# Allegro board 038NC-GRIFFI-V9A_16.brd (continued)
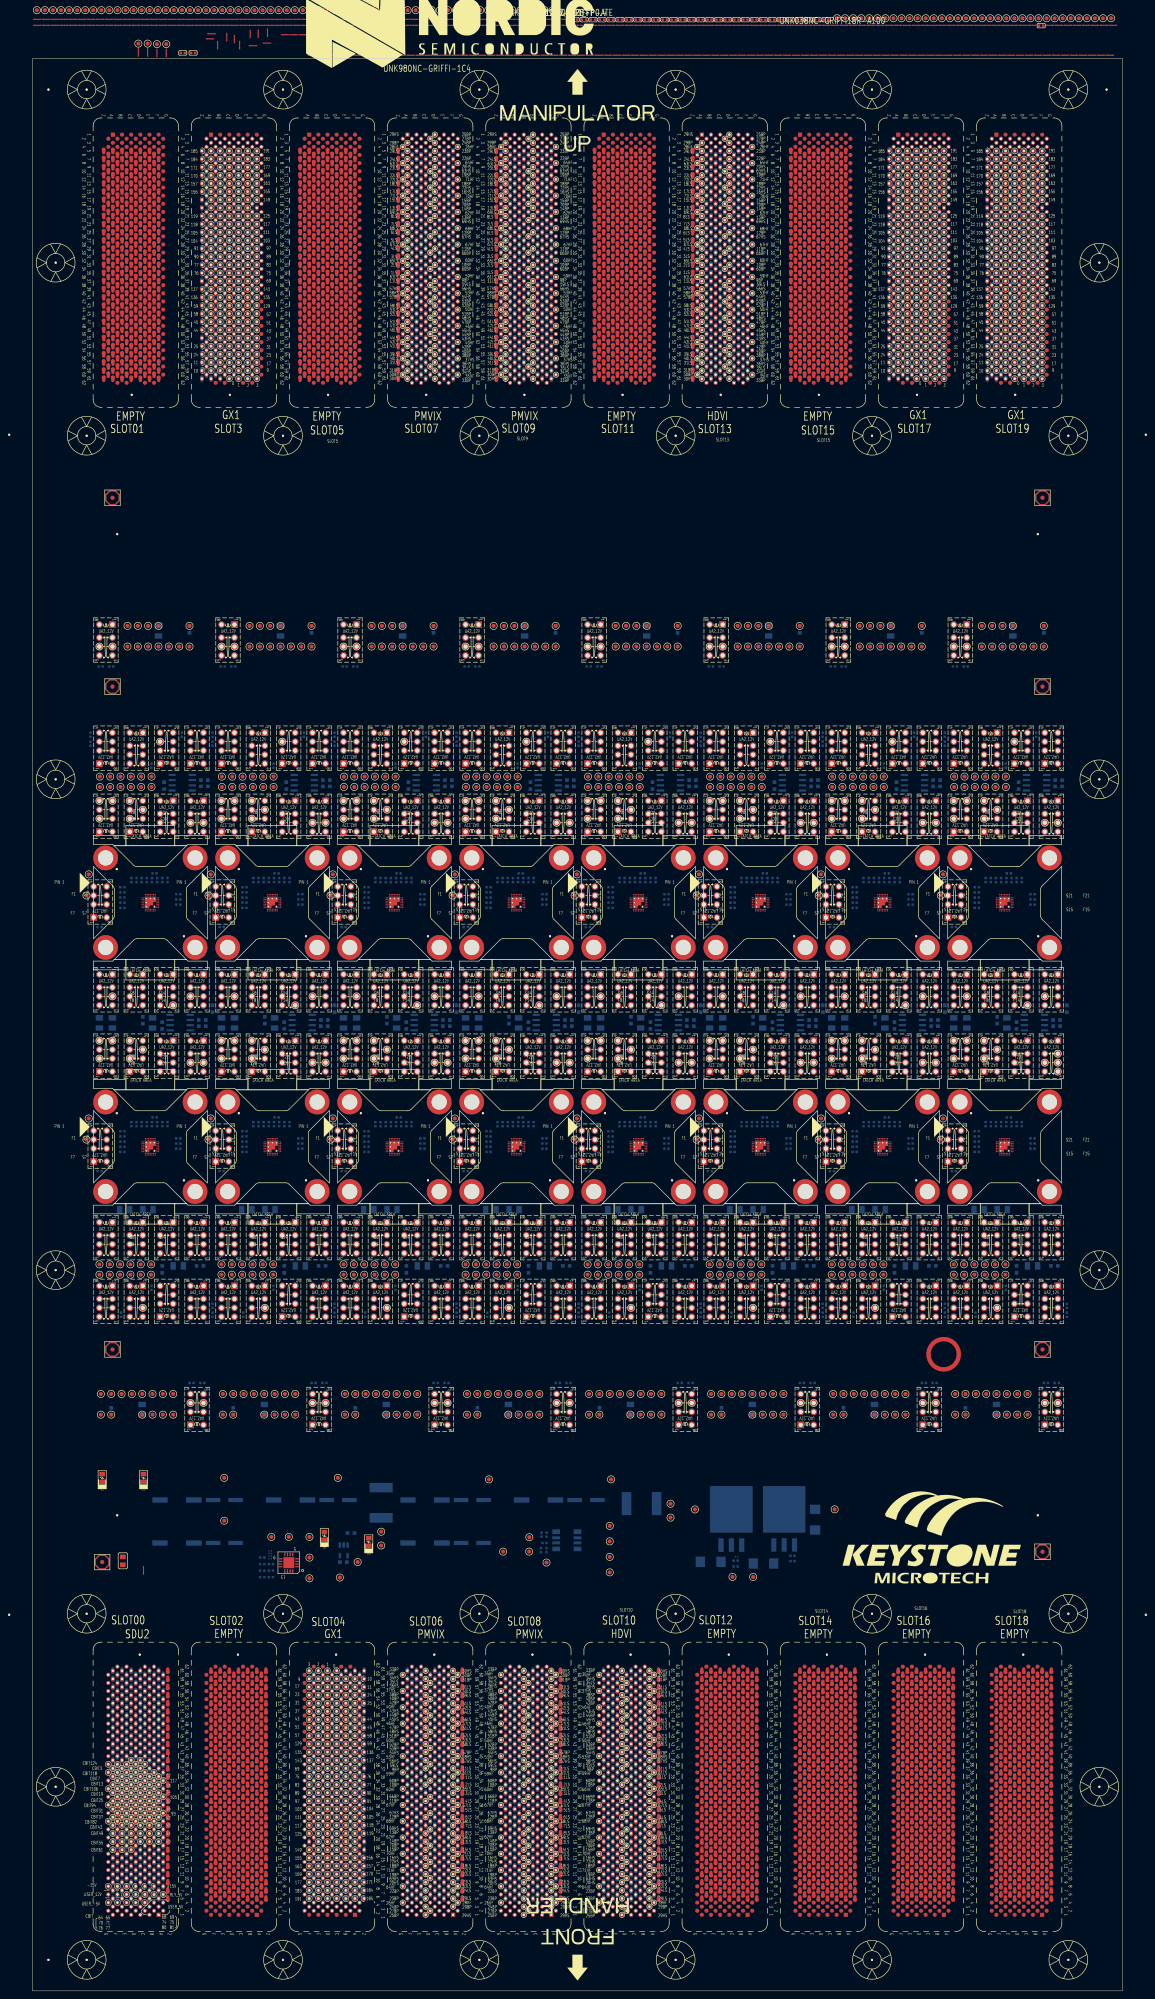
[diagram p0: board, top side]
## Footprints (pads in the part's own frame, mm; a bottom-side part is the same pattern mirrored in y, then rotated) (continued)
PG_LTXDX_F_X1_HDVI_SL10_V3
  round 0.051 hole 2.489x2.21 unplated: (12.055,-220.342)
  round 0.508 hole 3.2 unplated: (13.055,-154.842)
  rect 1.016x1.016 hole 0.559: A1(17.684,-218.796)
  round 1.016 hole 0.559: A2(18.809,-217.796) A3(17.684,-216.796) A4(18.809,-215.796) A5(17.684,-214.796) A6(18.809,-213.796) A7(17.684,-212.796) A8(18.809,-211.796) A9(17.684,-210.796) A10(18.809,-209.796) A11(17.684,-208.796) A12(18.809,-207.796) A13(17.684,-206.796) A14(18.809,-205.796) A15(17.684,-204.796) A16(18.809,-203.796) A17(17.684,-202.796) A18(18.809,-201.796) A19(17.684,-200.796) A20(18.809,-199.796) A21(17.684,-198.796) A22(18.809,-197.796) A23(17.684,-196.796) A24(18.809,-195.796) A25(17.684,-194.796) A26(18.809,-193.796) A27(17.684,-192.796) A28(18.809,-191.796) A29(17.684,-190.796) A30(18.809,-189.796) A31(17.684,-188.796) A32(18.809,-187.796) A33(17.684,-186.796) A34(18.809,-185.796) A35(17.684,-184.796) A36(18.809,-183.796) A37(17.684,-182.796) A38(18.809,-181.796) A39(17.684,-180.796) A40(18.809,-179.796) A41(17.684,-178.796) A42(18.809,-177.796) A43(17.684,-176.796) A44(18.809,-175.796) A45(17.684,-174.796) A46(18.809,-173.796) A47(17.684,-172.796) A48(18.809,-171.796) A49(17.684,-170.796) A50(18.809,-169.796) A51(17.684,-168.796) A52(18.809,-167.796) A53(17.684,-166.796) A54(18.809,-165.796) A55(17.684,-164.796) A56(18.809,-163.796) A57(17.684,-162.796) A58(18.809,-161.796) A59(17.684,-160.796) A60(18.809,-159.796) A61(17.684,-158.796) B1(15.435,-218.796) B2(16.56,-217.796) B3(15.435,-216.796) B4(16.56,-215.796) B5(15.435,-214.796) B6(16.56,-213.796) B7(15.435,-212.796) B8(16.56,-211.796) B9(15.435,-210.796) B10(16.56,-209.796) B11(15.435,-208.796) B12(16.56,-207.796) B13(15.435,-206.796) B14(16.56,-205.796) B15(15.435,-204.796) B16(16.56,-203.796) B17(15.435,-202.796) B18(16.56,-201.796) B19(15.435,-200.796) B20(16.56,-199.796) B21(15.435,-198.796) B22(16.56,-197.796) B23(15.435,-196.796) B24(16.56,-195.796) B25(15.435,-194.796) B26(16.56,-193.796) B27(15.435,-192.796) B28(16.56,-191.796) B29(15.435,-190.796) B30(16.56,-189.796) B31(15.435,-188.796) B32(16.56,-187.796) B33(15.435,-186.796) B34(16.56,-185.796) B35(15.435,-184.796) B36(16.56,-183.796) B37(15.435,-182.796) B38(16.56,-181.796) B39(15.435,-180.796) B40(16.56,-179.796) B41(15.435,-178.796) B42(16.56,-177.796) B43(15.435,-176.796) B44(16.56,-175.796) B45(15.435,-174.796) B46(16.56,-173.796) B47(15.435,-172.796) B48(16.56,-171.796) B49(15.435,-170.796) B50(16.56,-169.796) B51(15.435,-168.796) B52(16.56,-167.796) B53(15.435,-166.796) B54(16.56,-165.796) B55(15.435,-164.796) B56(16.56,-163.796) B57(15.435,-162.796) B58(16.56,-161.796) B59(15.435,-160.796) B60(16.56,-159.796) B61(15.435,-158.796) B62(16.56,-157.796) C1(13.184,-218.796) C2(14.31,-217.796) C3(13.184,-216.796) C4(14.31,-215.796) C5(13.184,-214.796) C6(14.31,-213.796) C7(13.184,-212.796) C8(14.31,-211.796) C9(13.184,-210.796) C10(14.31,-209.796) C11(13.184,-208.796) C12(14.31,-207.796) C13(13.184,-206.796) C14(14.31,-205.796) C15(13.184,-204.796) C16(14.31,-203.796) C17(13.184,-202.796) C18(14.31,-201.796) C19(13.184,-200.796) C20(14.31,-199.796) C21(13.184,-198.796) C22(14.31,-197.796) C23(13.184,-196.796) C24(14.31,-195.796) C25(13.184,-194.796) C26(14.31,-193.796) C27(13.184,-192.796) C28(14.31,-191.796) C29(13.184,-190.796) C30(14.31,-189.796) C31(13.184,-188.796) C32(14.31,-187.796) C33(13.184,-186.796) C34(14.31,-185.796) C35(13.184,-184.796) C36(14.31,-183.796) C37(13.184,-182.796) C38(14.31,-181.796) C39(13.184,-180.796) C40(14.31,-179.796) C41(13.184,-178.796) C42(14.31,-177.796) C43(13.184,-176.796) C44(14.31,-175.796) C45(13.184,-174.796) C46(14.31,-173.796) C47(13.184,-172.796) C48(14.31,-171.796) C49(13.184,-170.796) C50(14.31,-169.796) C51(13.184,-168.796) C52(14.31,-167.796) C53(13.184,-166.796) C54(14.31,-165.796) C55(13.184,-164.796) C56(14.31,-163.796) C57(13.184,-162.796) C58(14.31,-161.796) C59(13.184,-160.796) C60(14.31,-159.796) C61(13.184,-158.796) C62(14.31,-157.796) D1(10.934,-218.796) D2(12.059,-217.796) D3(10.934,-216.796) D4(12.059,-215.796) D5(10.934,-214.796) D6(12.059,-213.796) D7(10.934,-212.796) D8(12.059,-211.796) D9(10.934,-210.796) D10(12.059,-209.796) D11(10.934,-208.796) D12(12.059,-207.796) D13(10.934,-206.796) D14(12.059,-205.796) D15(10.934,-204.796) D16(12.059,-203.796) D17(10.934,-202.796) D18(12.059,-201.796) D19(10.934,-200.796) D20(12.059,-199.796) D21(10.934,-198.796) D22(12.059,-197.796) D23(10.934,-196.796) D24(12.059,-195.796) D25(10.934,-194.796) D26(12.059,-193.796) D27(10.934,-192.796) D28(12.059,-191.796) D29(10.934,-190.796) D30(12.059,-189.796) D31(10.934,-188.796) D32(12.059,-187.796) D33(10.934,-186.796) D34(12.059,-185.796) D35(10.934,-184.796) D36(12.059,-183.796) D37(10.934,-182.796) D38(12.059,-181.796) D39(10.934,-180.796) D40(12.059,-179.796) D41(10.934,-178.796) D42(12.059,-177.796) D43(10.934,-176.796) D44(12.059,-175.796) D45(10.934,-174.796) D46(12.059,-173.796) D47(10.934,-172.796) D48(12.059,-171.796) D49(10.934,-170.796) D50(12.059,-169.796) D51(10.934,-168.796) D52(12.059,-167.796) D53(10.934,-166.796) D54(12.059,-165.796) D55(10.934,-164.796) D56(12.059,-163.796) D57(10.934,-162.796) D58(12.059,-161.796) D59(10.934,-160.796) D60(12.059,-159.796) D61(10.934,-158.796) E1(8.685,-218.796) E2(9.809,-217.796) E3(8.685,-216.796) E4(9.809,-215.796) E5(8.685,-214.796) E6(9.809,-213.796) E7(8.685,-212.796) E8(9.809,-211.796) E9(8.685,-210.796) E10(9.809,-209.796) E11(8.685,-208.796) E12(9.809,-207.796) E13(8.685,-206.796) E14(9.809,-205.796) E15(8.685,-204.796) E16(9.809,-203.796) E17(8.685,-202.796) E18(9.809,-201.796) E19(8.685,-200.796) E20(9.809,-199.796) E21(8.685,-198.796) E22(9.809,-197.796) E23(8.685,-196.796) E24(9.809,-195.796) E25(8.685,-194.796) E26(9.809,-193.796) E27(8.685,-192.796) E28(9.809,-191.796) E29(8.685,-190.796) E30(9.809,-189.796) E31(8.685,-188.796) E32(9.809,-187.796) E33(8.685,-186.796) E34(9.809,-185.796) E35(8.685,-184.796) E36(9.809,-183.796) E37(8.685,-182.796) E38(9.809,-181.796) E39(8.685,-180.796) E40(9.809,-179.796) E41(8.685,-178.796) E42(9.809,-177.796) E43(8.685,-176.796) E44(9.809,-175.796) E45(8.685,-174.796) E46(9.809,-173.796) E47(8.685,-172.796) E48(9.809,-171.796) E49(8.685,-170.796) E50(9.809,-169.796) E51(8.685,-168.796) E52(9.809,-167.796) E53(8.685,-166.796) E54(9.809,-165.796) E55(8.685,-164.796) E56(9.809,-163.796) E57(8.685,-162.796) E58(9.809,-161.796) E59(8.685,-160.796) E60(9.809,-159.796) E61(8.685,-158.796) E62(9.809,-157.796) F1(6.435,-218.796) F2(7.56,-217.796) F3(6.435,-216.796) F4(7.56,-215.796) F5(6.435,-214.796) F6(7.56,-213.796) F7(6.435,-212.796) F8(7.56,-211.796) F9(6.435,-210.796) F10(7.56,-209.796) F11(6.435,-208.796) F12(7.56,-207.796) F13(6.435,-206.796) F14(7.56,-205.796) F15(6.435,-204.796) F16(7.56,-203.796) F17(6.435,-202.796) F18(7.56,-201.796) F19(6.435,-200.796) F20(7.56,-199.796) F21(6.435,-198.796) F22(7.56,-197.796) F23(6.435,-196.796) F24(7.56,-195.796) F25(6.435,-194.796) F26(7.56,-193.796) F27(6.435,-192.796) F28(7.56,-191.796) F29(6.435,-190.796) F30(7.56,-189.796) F31(6.435,-188.796) F32(7.56,-187.796) F33(6.435,-186.796) F34(7.56,-185.796) F35(6.435,-184.796) F36(7.56,-183.796) F37(6.435,-182.796) F38(7.56,-181.796) F39(6.435,-180.796) F40(7.56,-179.796) F41(6.435,-178.796) F42(7.56,-177.796) F43(6.435,-176.796) F44(7.56,-175.796) F45(6.435,-174.796) F46(7.56,-173.796) F47(6.435,-172.796) F48(7.56,-171.796) F49(6.435,-170.796) F50(7.56,-169.796) F51(6.435,-168.796) F52(7.56,-167.796) F53(6.435,-166.796) F54(7.56,-165.796) F55(6.435,-164.796) F56(7.56,-163.796) F57(6.435,-162.796) F58(7.56,-161.796) F59(6.435,-160.796) F60(7.56,-159.796) F61(6.435,-158.796) F62(7.56,-157.796) G2(5.31,-217.796) G4(5.31,-215.796) G6(5.31,-213.796) G8(5.31,-211.796) G10(5.31,-209.796) G12(5.31,-207.796) G14(5.31,-205.796) G16(5.31,-203.796) G18(5.31,-201.796) G20(5.31,-199.796) G22(5.31,-197.796) G24(5.31,-195.796) G26(5.31,-193.796) G28(5.31,-191.796) G30(5.31,-189.796) G32(5.31,-187.796) G34(5.31,-185.796) G36(5.31,-183.796) G38(5.31,-181.796) G40(5.31,-179.796) G42(5.31,-177.796) G44(5.31,-175.796) G46(5.31,-173.796) G48(5.31,-171.796) G50(5.31,-169.796) G52(5.31,-167.796) G54(5.31,-165.796) G56(5.31,-163.796) G58(5.31,-161.796) G60(5.31,-159.796)
  custom 0.257x0.257 smd: Z5(19.934,-214.796) Z7(19.934,-212.796) Z9(19.934,-210.796) Z11(19.934,-208.796) Z13(19.934,-206.796) Z15(19.934,-204.796) Z17(19.934,-202.796) Z19(19.934,-200.796) Z21(19.934,-198.796) Z23(19.934,-196.796) Z25(19.934,-194.796) Z27(19.934,-192.796) Z29(19.934,-190.796) Z31(19.934,-188.796) Z33(19.934,-186.796) Z35(19.934,-184.796) Z37(19.934,-182.796) Z39(19.934,-180.796) Z41(19.934,-178.796) Z43(19.934,-176.796) Z45(19.934,-174.796) Z47(19.934,-172.796) Z49(19.934,-170.796) Z51(19.934,-168.796) Z53(19.934,-166.796) Z55(19.934,-164.796) Z57(19.934,-162.796) Z59(19.934,-160.796) Z61(19.934,-158.796)
PG_LTXDX_F_X1_HDVI_SL13_V3
  round 0.508 hole 3.2 unplated: (35.206,154.842)
  round 0.051 hole 2.489x2.21 unplated: (36.205,220.342)
  rect 1.016x1.016 hole 0.559: A1(30.576,218.796)
  round 1.016 hole 0.559: A2(29.451,217.796) A3(30.576,216.796) A4(29.451,215.796) A5(30.576,214.796) A6(29.451,213.796) A7(30.576,212.796) A8(29.451,211.796) A9(30.576,210.796) A10(29.451,209.796) A11(30.576,208.796) A12(29.451,207.796) A13(30.576,206.796) A14(29.451,205.796) A15(30.576,204.796) A16(29.451,203.796) A17(30.576,202.796) A18(29.451,201.796) A19(30.576,200.796) A20(29.451,199.796) A21(30.576,198.796) A22(29.451,197.796) A23(30.576,196.796) A24(29.451,195.796) A25(30.576,194.796) A26(29.451,193.796) A27(30.576,192.796) A28(29.451,191.796) A29(30.576,190.796) A30(29.451,189.796) A31(30.576,188.796) A32(29.451,187.796) A33(30.576,186.796) A34(29.451,185.796) A35(30.576,184.796) A36(29.451,183.796) A37(30.576,182.796) A38(29.451,181.796) A39(30.576,180.796) A40(29.451,179.796) A41(30.576,178.796) A42(29.451,177.796) A43(30.576,176.796) A44(29.451,175.796) A45(30.576,174.796) A46(29.451,173.796) A47(30.576,172.796) A48(29.451,171.796) A49(30.576,170.796) A50(29.451,169.796) A51(30.576,168.796) A52(29.451,167.796) A53(30.576,166.796) A54(29.451,165.796) A55(30.576,164.796) A56(29.451,163.796) A57(30.576,162.796) A58(29.451,161.796) A59(30.576,160.796) A60(29.451,159.796) A61(30.576,158.796) B1(32.825,218.796) B2(31.7,217.796) B3(32.825,216.796) B4(31.7,215.796) B5(32.825,214.796) B6(31.7,213.796) B7(32.825,212.796) B8(31.7,211.796) B9(32.825,210.796) B10(31.7,209.796) B11(32.825,208.796) B12(31.7,207.796) B13(32.825,206.796) B14(31.7,205.796) B15(32.825,204.796) B16(31.7,203.796) B17(32.825,202.796) B18(31.7,201.796) B19(32.825,200.796) B20(31.7,199.796) B21(32.825,198.796) B22(31.7,197.796) B23(32.825,196.796) B24(31.7,195.796) B25(32.825,194.796) B26(31.7,193.796) B27(32.825,192.796) B28(31.7,191.796) B29(32.825,190.796) B30(31.7,189.796) B31(32.825,188.796) B32(31.7,187.796) B33(32.825,186.796) B34(31.7,185.796) B35(32.825,184.796) B36(31.7,183.796) B37(32.825,182.796) B38(31.7,181.796) B39(32.825,180.796) B40(31.7,179.796) B41(32.825,178.796) B42(31.7,177.796) B43(32.825,176.796) B44(31.7,175.796) B45(32.825,174.796) B46(31.7,173.796) B47(32.825,172.796) B48(31.7,171.796) B49(32.825,170.796) B50(31.7,169.796) B51(32.825,168.796) B52(31.7,167.796) B53(32.825,166.796) B54(31.7,165.796) B55(32.825,164.796) B56(31.7,163.796) B57(32.825,162.796) B58(31.7,161.796) B59(32.825,160.796) B60(31.7,159.796) B61(32.825,158.796) B62(31.7,157.796) C1(35.076,218.796) C2(33.95,217.796) C3(35.076,216.796) C4(33.95,215.796) C5(35.076,214.796) C6(33.95,213.796) C7(35.076,212.796) C8(33.95,211.796) C9(35.076,210.796) C10(33.95,209.796) C11(35.076,208.796) C12(33.95,207.796) C13(35.076,206.796) C14(33.95,205.796) C15(35.076,204.796) C16(33.95,203.796) C17(35.076,202.796) C18(33.95,201.796) C19(35.076,200.796) C20(33.95,199.796) C21(35.076,198.796) C22(33.95,197.796) C23(35.076,196.796) C24(33.95,195.796) C25(35.076,194.796) C26(33.95,193.796) C27(35.076,192.796) C28(33.95,191.796) C29(35.076,190.796) C30(33.95,189.796) C31(35.076,188.796) C32(33.95,187.796) C33(35.076,186.796) C34(33.95,185.796) C35(35.076,184.796) C36(33.95,183.796) C37(35.076,182.796) C38(33.95,181.796) C39(35.076,180.796) C40(33.95,179.796) C41(35.076,178.796) C42(33.95,177.796) C43(35.076,176.796) C44(33.95,175.796) C45(35.076,174.796) C46(33.95,173.796) C47(35.076,172.796) C48(33.95,171.796) C49(35.076,170.796) C50(33.95,169.796) C51(35.076,168.796) C52(33.95,167.796) C53(35.076,166.796) C54(33.95,165.796) C55(35.076,164.796) C56(33.95,163.796) C57(35.076,162.796) C58(33.95,161.796) C59(35.076,160.796) C60(33.95,159.796) C61(35.076,158.796) C62(33.95,157.796) D1(37.326,218.796) D2(36.201,217.796) D3(37.326,216.796) D4(36.201,215.796) D5(37.326,214.796) D6(36.201,213.796) D7(37.326,212.796) D8(36.201,211.796) D9(37.326,210.796) D10(36.201,209.796) D11(37.326,208.796) D12(36.201,207.796) D13(37.326,206.796) D14(36.201,205.796) D15(37.326,204.796) D16(36.201,203.796) D17(37.326,202.796) D18(36.201,201.796) D19(37.326,200.796) D20(36.201,199.796) D21(37.326,198.796) D22(36.201,197.796) D23(37.326,196.796) D24(36.201,195.796) D25(37.326,194.796) D26(36.201,193.796) D27(37.326,192.796) D28(36.201,191.796) D29(37.326,190.796) D30(36.201,189.796) D31(37.326,188.796) D32(36.201,187.796) D33(37.326,186.796) D34(36.201,185.796) D35(37.326,184.796) D36(36.201,183.796) D37(37.326,182.796) D38(36.201,181.796) D39(37.326,180.796) D40(36.201,179.796) D41(37.326,178.796) D42(36.201,177.796) D43(37.326,176.796) D44(36.201,175.796) D45(37.326,174.796) D46(36.201,173.796) D47(37.326,172.796) D48(36.201,171.796) D49(37.326,170.796) D50(36.201,169.796) D51(37.326,168.796) D52(36.201,167.796) D53(37.326,166.796) D54(36.201,165.796) D55(37.326,164.796) D56(36.201,163.796) D57(37.326,162.796) D58(36.201,161.796) D59(37.326,160.796) D60(36.201,159.796) D61(37.326,158.796) E1(39.575,218.796) E2(38.451,217.796) E3(39.575,216.796) E4(38.451,215.796) E5(39.575,214.796) E6(38.451,213.796) E7(39.575,212.796) E8(38.451,211.796) E9(39.575,210.796) E10(38.451,209.796) E11(39.575,208.796) E12(38.451,207.796) E13(39.575,206.796) E14(38.451,205.796) E15(39.575,204.796) E16(38.451,203.796) E17(39.575,202.796) E18(38.451,201.796) E19(39.575,200.796) E20(38.451,199.796) E21(39.575,198.796) E22(38.451,197.796) E23(39.575,196.796) E24(38.451,195.796) E25(39.575,194.796) E26(38.451,193.796) E27(39.575,192.796) E28(38.451,191.796) E29(39.575,190.796) E30(38.451,189.796) E31(39.575,188.796) E32(38.451,187.796) E33(39.575,186.796) E34(38.451,185.796) E35(39.575,184.796) E36(38.451,183.796) E37(39.575,182.796) E38(38.451,181.796) E39(39.575,180.796) E40(38.451,179.796) E41(39.575,178.796) E42(38.451,177.796) E43(39.575,176.796) E44(38.451,175.796) E45(39.575,174.796) E46(38.451,173.796) E47(39.575,172.796) E48(38.451,171.796) E49(39.575,170.796) E50(38.451,169.796) E51(39.575,168.796) E52(38.451,167.796) E53(39.575,166.796) E54(38.451,165.796) E55(39.575,164.796) E56(38.451,163.796) E57(39.575,162.796) E58(38.451,161.796) E59(39.575,160.796) E60(38.451,159.796) E61(39.575,158.796) E62(38.451,157.796) F1(41.825,218.796) F2(40.7,217.796) F3(41.825,216.796) F4(40.7,215.796) F5(41.825,214.796) F6(40.7,213.796) F7(41.825,212.796) F8(40.7,211.796) F9(41.825,210.796) F10(40.7,209.796) F11(41.825,208.796) F12(40.7,207.796) F13(41.825,206.796) F14(40.7,205.796) F15(41.825,204.796) F16(40.7,203.796) F17(41.825,202.796) F18(40.7,201.796) F19(41.825,200.796) F20(40.7,199.796) F21(41.825,198.796) F22(40.7,197.796) F23(41.825,196.796) F24(40.7,195.796) F25(41.825,194.796) F26(40.7,193.796) F27(41.825,192.796) F28(40.7,191.796) F29(41.825,190.796) F30(40.7,189.796) F31(41.825,188.796) F32(40.7,187.796) F33(41.825,186.796) F34(40.7,185.796) F35(41.825,184.796) F36(40.7,183.796) F37(41.825,182.796) F38(40.7,181.796) F39(41.825,180.796) F40(40.7,179.796) F41(41.825,178.796) F42(40.7,177.796) F43(41.825,176.796) F44(40.7,175.796) F45(41.825,174.796) F46(40.7,173.796) F47(41.825,172.796) F48(40.7,171.796) F49(41.825,170.796) F50(40.7,169.796) F51(41.825,168.796) F52(40.7,167.796) F53(41.825,166.796) F54(40.7,165.796) F55(41.825,164.796) F56(40.7,163.796) F57(41.825,162.796) F58(40.7,161.796) F59(41.825,160.796) F60(40.7,159.796) F61(41.825,158.796) F62(40.7,157.796) G2(42.95,217.796) G4(42.95,215.796) G6(42.95,213.796) G8(42.95,211.796) G10(42.95,209.796) G12(42.95,207.796) G14(42.95,205.796) G16(42.95,203.796) G18(42.95,201.796) G20(42.95,199.796) G22(42.95,197.796) G24(42.95,195.796) G26(42.95,193.796) G28(42.95,191.796) G30(42.95,189.796) G32(42.95,187.796) G34(42.95,185.796) G36(42.95,183.796) G38(42.95,181.796) G40(42.95,179.796) G42(42.95,177.796) G44(42.95,175.796) G46(42.95,173.796) G48(42.95,171.796) G50(42.95,169.796) G52(42.95,167.796) G54(42.95,165.796) G56(42.95,163.796) G58(42.95,161.796) G60(42.95,159.796)
  custom 0.257x0.257 smd: Z5(28.326,214.796) Z7(28.326,212.796) Z9(28.326,210.796) Z11(28.326,208.796) Z13(28.326,206.796) Z15(28.326,204.796) Z17(28.326,202.796) Z19(28.326,200.796) Z21(28.326,198.796) Z23(28.326,196.796) Z25(28.326,194.796) Z27(28.326,192.796) Z29(28.326,190.796) Z31(28.326,188.796) Z33(28.326,186.796) Z35(28.326,184.796) Z37(28.326,182.796) Z39(28.326,180.796) Z41(28.326,178.796) Z43(28.326,176.796) Z45(28.326,174.796) Z47(28.326,172.796) Z49(28.326,170.796) Z51(28.326,168.796) Z53(28.326,166.796) Z55(28.326,164.796) Z57(28.326,162.796) Z59(28.326,160.796) Z61(28.326,158.796)
PG_LTXDX_F_X1_OUTLINE_FULL_V2
  round 0.508 hole 7.925 unplated: (-139.7,145.034)
  round 0.508 hole 11.125 unplated: (-139.7,-145.034) (139.7,145.034) (139.7,-145.034)
  round 0.508 hole 3.099 unplated: (-130.048,229.87)
  round 0.508 hole 3.404 unplated: (-130.048,-229.87)
  round 0.508 hole 4.674 unplated: (-128.27,187.325) (-128.27,60.325) (-128.27,-60.325) (-128.27,-187.325) (-120.65,229.87) (-120.65,144.78) (-120.65,-144.78) (-120.65,-229.87) (-72.39,229.87) (-72.39,144.78) (-72.39,-144.78) (-72.39,-229.87) (-24.13,229.87) (-24.13,144.78) (-24.13,-144.78) (-24.13,-229.87) (24.13,229.87) (24.13,144.78) (24.13,-144.78) (24.13,-229.87) (72.39,229.87) (72.39,144.78) (72.39,-144.78) (72.39,-229.87) (120.65,229.87) (120.65,144.78) (120.65,-144.78) (120.65,-229.87) (128.27,187.325) (128.27,60.325) (128.27,-60.325) (128.27,-187.325)
  round 0.508 hole 4.572x3.099 unplated: (130.048,229.87)
PG_LTXDX_F_X1_PG400ND_SL01_V3
  round 0.508 hole 3.2 unplated: (-109.574,154.842)
  round 0.051 hole 2.489x2.21 unplated: (-108.574,220.342)
  rect 1.016x1.016 smd: A1(-114.204,218.796)
  round 1.016 smd: A2(-115.329,217.796) A3(-114.204,216.796) A4(-115.329,215.796) B1(-111.955,218.796) B2(-113.08,217.796) B3(-111.955,216.796) B4(-113.08,215.796) B62(-113.08,157.796) C1(-109.704,218.796) C2(-110.83,217.796) C3(-109.704,216.796) C4(-110.83,215.796) C62(-110.83,157.796) D1(-107.454,218.796) D2(-108.579,217.796) D3(-107.454,216.796) D4(-108.579,215.796) E1(-105.205,218.796) E2(-106.329,217.796) E3(-105.205,216.796) E4(-106.329,215.796) E62(-106.329,157.796) F1(-102.955,218.796) F2(-104.08,217.796) F3(-102.955,216.796) F4(-104.08,215.796) F62(-104.08,157.796) G2(-101.83,217.796) G4(-101.83,215.796) G6(-101.83,213.796) G8(-101.83,211.796) G10(-101.83,209.796) G12(-101.83,207.796) G14(-101.83,205.796) G16(-101.83,203.796) G18(-101.83,201.796) G20(-101.83,199.796) G22(-101.83,197.796) G24(-101.83,195.796) G26(-101.83,193.796) G28(-101.83,191.796) G30(-101.83,189.796) G32(-101.83,187.796) G34(-101.83,185.796) G36(-101.83,183.796) G38(-101.83,181.796) G40(-101.83,179.796) G42(-101.83,177.796) G44(-101.83,175.796) G46(-101.83,173.796) G48(-101.83,171.796) G50(-101.83,169.796) G52(-101.83,167.796) G54(-101.83,165.796) G56(-101.83,163.796) G58(-101.83,161.796) G60(-101.83,159.796)
  custom 0.257x0.257 smd: A5(-114.204,214.796) A6(-115.329,213.796) A7(-114.204,212.796) A8(-115.329,211.796) A9(-114.204,210.796) A10(-115.329,209.796) A11(-114.204,208.796) A12(-115.329,207.796) A13(-114.204,206.796) A14(-115.329,205.796) A15(-114.204,204.796) A16(-115.329,203.796) A17(-114.204,202.796) A18(-115.329,201.796) A19(-114.204,200.796) A20(-115.329,199.796) A21(-114.204,198.796) A22(-115.329,197.796) A23(-114.204,196.796) A24(-115.329,195.796) A25(-114.204,194.796) A26(-115.329,193.796) A27(-114.204,192.796) A28(-115.329,191.796) A29(-114.204,190.796) A30(-115.329,189.796) A31(-114.204,188.796) A32(-115.329,187.796) A33(-114.204,186.796) A34(-115.329,185.796) A35(-114.204,184.796) A36(-115.329,183.796) A37(-114.204,182.796) A38(-115.329,181.796) A39(-114.204,180.796) A40(-115.329,179.796) A41(-114.204,178.796) A42(-115.329,177.796) A43(-114.204,176.796) A44(-115.329,175.796) A45(-114.204,174.796) A46(-115.329,173.796) A47(-114.204,172.796) A48(-115.329,171.796) A49(-114.204,170.796) A50(-115.329,169.796) A51(-114.204,168.796) A52(-115.329,167.796) A53(-114.204,166.796) A54(-115.329,165.796) A55(-114.204,164.796) A56(-115.329,163.796) A57(-114.204,162.796) A58(-115.329,161.796) A59(-114.204,160.796) A60(-115.329,159.796) A61(-114.204,158.796) B5(-111.955,214.796) B6(-113.08,213.796) B7(-111.955,212.796) B8(-113.08,211.796) B9(-111.955,210.796) B10(-113.08,209.796) B11(-111.955,208.796) B12(-113.08,207.796) B13(-111.955,206.796) B14(-113.08,205.796) B15(-111.955,204.796) B16(-113.08,203.796) B17(-111.955,202.796) B18(-113.08,201.796) B19(-111.955,200.796) B20(-113.08,199.796) B21(-111.955,198.796) B22(-113.08,197.796) B23(-111.955,196.796) B24(-113.08,195.796) B25(-111.955,194.796) B26(-113.08,193.796) B27(-111.955,192.796) B28(-113.08,191.796) B29(-111.955,190.796) B30(-113.08,189.796) B31(-111.955,188.796) B32(-113.08,187.796) B33(-111.955,186.796) B34(-113.08,185.796) B35(-111.955,184.796) B36(-113.08,183.796) B37(-111.955,182.796) B38(-113.08,181.796) B39(-111.955,180.796) B40(-113.08,179.796) B41(-111.955,178.796) B42(-113.08,177.796) B43(-111.955,176.796) B44(-113.08,175.796) B45(-111.955,174.796) B46(-113.08,173.796) B47(-111.955,172.796) B48(-113.08,171.796) B49(-111.955,170.796) B50(-113.08,169.796) B51(-111.955,168.796) B52(-113.08,167.796) B53(-111.955,166.796) B54(-113.08,165.796) B55(-111.955,164.796) B56(-113.08,163.796) B57(-111.955,162.796) B58(-113.08,161.796) B59(-111.955,160.796) B60(-113.08,159.796) B61(-111.955,158.796) C5(-109.704,214.796) C6(-110.83,213.796) C7(-109.704,212.796) C8(-110.83,211.796) C9(-109.704,210.796) C10(-110.83,209.796) C11(-109.704,208.796) C12(-110.83,207.796) C13(-109.704,206.796) C14(-110.83,205.796) C15(-109.704,204.796) C16(-110.83,203.796) C17(-109.704,202.796) C18(-110.83,201.796) C19(-109.704,200.796) C20(-110.83,199.796) C21(-109.704,198.796) C22(-110.83,197.796) C23(-109.704,196.796) C24(-110.83,195.796) C25(-109.704,194.796) C26(-110.83,193.796) C27(-109.704,192.796) C28(-110.83,191.796) C29(-109.704,190.796) C30(-110.83,189.796) C31(-109.704,188.796) C32(-110.83,187.796) C33(-109.704,186.796) C34(-110.83,185.796) C35(-109.704,184.796) C36(-110.83,183.796) C37(-109.704,182.796) C38(-110.83,181.796) C39(-109.704,180.796) C40(-110.83,179.796) C41(-109.704,178.796) C42(-110.83,177.796) C43(-109.704,176.796) C44(-110.83,175.796) C45(-109.704,174.796) C46(-110.83,173.796) C47(-109.704,172.796) C48(-110.83,171.796) C49(-109.704,170.796) C50(-110.83,169.796) C51(-109.704,168.796) C52(-110.83,167.796) C53(-109.704,166.796) C54(-110.83,165.796) C55(-109.704,164.796) C56(-110.83,163.796) C57(-109.704,162.796) C58(-110.83,161.796) C59(-109.704,160.796) C60(-110.83,159.796) C61(-109.704,158.796) D5(-107.454,214.796) D6(-108.579,213.796) D7(-107.454,212.796) D8(-108.579,211.796) D9(-107.454,210.796) D10(-108.579,209.796) D11(-107.454,208.796) D12(-108.579,207.796) D13(-107.454,206.796) D14(-108.579,205.796) D15(-107.454,204.796) D16(-108.579,203.796) D17(-107.454,202.796) D18(-108.579,201.796) D19(-107.454,200.796) D20(-108.579,199.796) D21(-107.454,198.796) D22(-108.579,197.796) D23(-107.454,196.796) D24(-108.579,195.796) D25(-107.454,194.796) D26(-108.579,193.796) D27(-107.454,192.796) D28(-108.579,191.796) D29(-107.454,190.796) D30(-108.579,189.796) D31(-107.454,188.796) D32(-108.579,187.796) D33(-107.454,186.796) D34(-108.579,185.796) D35(-107.454,184.796) D36(-108.579,183.796) D37(-107.454,182.796) D38(-108.579,181.796) D39(-107.454,180.796) D40(-108.579,179.796) D41(-107.454,178.796) D42(-108.579,177.796) D43(-107.454,176.796) D44(-108.579,175.796) D45(-107.454,174.796) D46(-108.579,173.796) D47(-107.454,172.796) D48(-108.579,171.796) D49(-107.454,170.796) D50(-108.579,169.796) D51(-107.454,168.796) D52(-108.579,167.796) D53(-107.454,166.796) D54(-108.579,165.796) D55(-107.454,164.796) D56(-108.579,163.796) D57(-107.454,162.796) D58(-108.579,161.796) D59(-107.454,160.796) D60(-108.579,159.796) D61(-107.454,158.796) E5(-105.205,214.796) E6(-106.329,213.796) E7(-105.205,212.796) E8(-106.329,211.796) E9(-105.205,210.796) E10(-106.329,209.796) E11(-105.205,208.796) E12(-106.329,207.796) E13(-105.205,206.796) E14(-106.329,205.796) E15(-105.205,204.796) E16(-106.329,203.796) E17(-105.205,202.796) E18(-106.329,201.796) E19(-105.205,200.796) E20(-106.329,199.796) E21(-105.205,198.796) E22(-106.329,197.796) E23(-105.205,196.796) E24(-106.329,195.796) E25(-105.205,194.796) E26(-106.329,193.796) E27(-105.205,192.796) E28(-106.329,191.796) E29(-105.205,190.796) E30(-106.329,189.796) E31(-105.205,188.796) E32(-106.329,187.796) E33(-105.205,186.796) E34(-106.329,185.796) E35(-105.205,184.796) E36(-106.329,183.796) E37(-105.205,182.796) E38(-106.329,181.796) E39(-105.205,180.796) E40(-106.329,179.796) E41(-105.205,178.796) E42(-106.329,177.796) E43(-105.205,176.796) E44(-106.329,175.796) E45(-105.205,174.796) E46(-106.329,173.796) E47(-105.205,172.796) E48(-106.329,171.796) E49(-105.205,170.796) E50(-106.329,169.796) E51(-105.205,168.796) E52(-106.329,167.796) E53(-105.205,166.796) E54(-106.329,165.796) E55(-105.205,164.796) E56(-106.329,163.796) E57(-105.205,162.796) E58(-106.329,161.796) E59(-105.205,160.796) E60(-106.329,159.796) E61(-105.205,158.796) F5(-102.955,214.796) F6(-104.08,213.796) F7(-102.955,212.796) F8(-104.08,211.796) F9(-102.955,210.796) F10(-104.08,209.796) F11(-102.955,208.796) F12(-104.08,207.796) F13(-102.955,206.796) F14(-104.08,205.796) F15(-102.955,204.796) F16(-104.08,203.796) F17(-102.955,202.796) F18(-104.08,201.796) F19(-102.955,200.796) F20(-104.08,199.796) F21(-102.955,198.796) F22(-104.08,197.796) F23(-102.955,196.796) F24(-104.08,195.796) F25(-102.955,194.796) F26(-104.08,193.796) F27(-102.955,192.796) F28(-104.08,191.796) F29(-102.955,190.796) F30(-104.08,189.796) F31(-102.955,188.796) F32(-104.08,187.796) F33(-102.955,186.796) F34(-104.08,185.796) F35(-102.955,184.796) F36(-104.08,183.796) F37(-102.955,182.796) F38(-104.08,181.796) F39(-102.955,180.796) F40(-104.08,179.796) F41(-102.955,178.796) F42(-104.08,177.796) F43(-102.955,176.796) F44(-104.08,175.796) F45(-102.955,174.796) F46(-104.08,173.796) F47(-102.955,172.796) F48(-104.08,171.796) F49(-102.955,170.796) F50(-104.08,169.796) F51(-102.955,168.796) F52(-104.08,167.796) F53(-102.955,166.796) F54(-104.08,165.796) F55(-102.955,164.796) F56(-104.08,163.796) F57(-102.955,162.796) F58(-104.08,161.796) F59(-102.955,160.796) F60(-104.08,159.796) F61(-102.955,158.796) Z5(-116.454,214.796) Z7(-116.454,212.796) Z9(-116.454,210.796) Z11(-116.454,208.796) Z13(-116.454,206.796) Z15(-116.454,204.796) Z17(-116.454,202.796) Z19(-116.454,200.796) Z21(-116.454,198.796) Z23(-116.454,196.796) Z25(-116.454,194.796) Z27(-116.454,192.796) Z29(-116.454,190.796) Z31(-116.454,188.796) Z33(-116.454,186.796) Z35(-116.454,184.796) Z37(-116.454,182.796) Z39(-116.454,180.796) Z41(-116.454,178.796) Z43(-116.454,176.796) Z45(-116.454,174.796) Z47(-116.454,172.796) Z49(-116.454,170.796) Z51(-116.454,168.796) Z53(-116.454,166.796) Z55(-116.454,164.796) Z57(-116.454,162.796) Z59(-116.454,160.796) Z61(-116.454,158.796)